# KiCad board ClockIOT.kicad_pcb (continued)
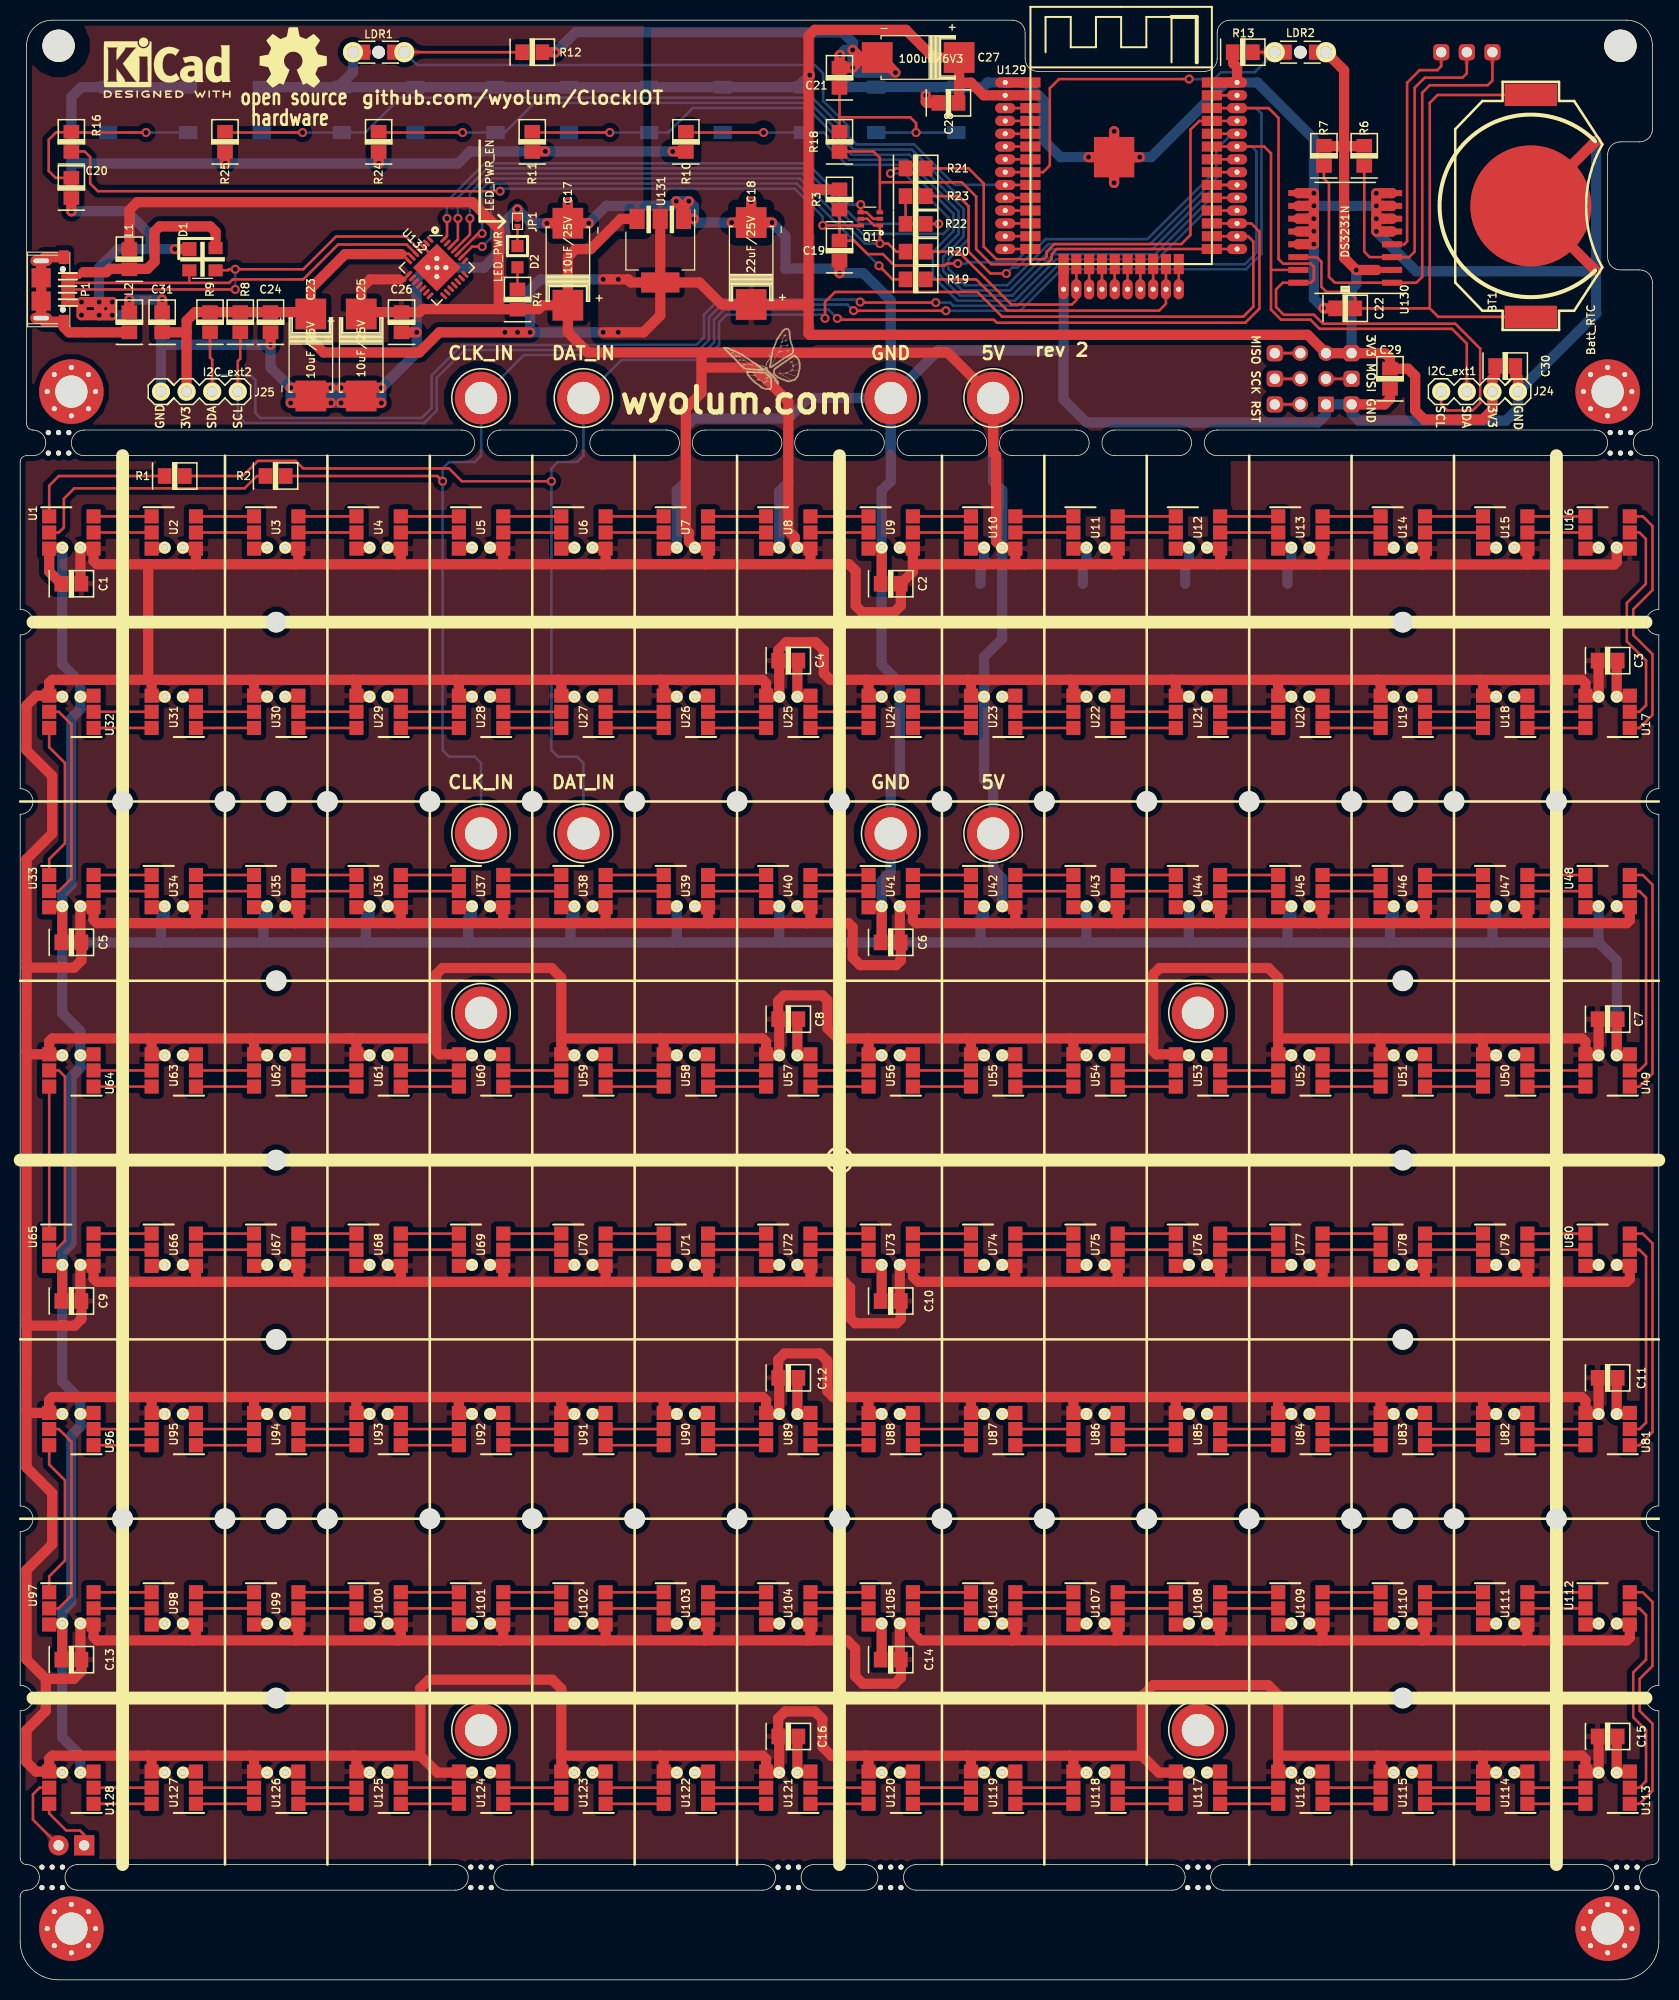
[diagram p0: board, top side]
## Routing (per net, layer and track width the routed paths; a pad name or vN(x,y) marks a point on that pad's centre or on a via; arc(x,y) is an arc through that point) (continued)
/CI_A: length 25.5
  Top w0.254: 24.38,149.11 23.48,149.11 22.26,147.89 5.37,147.89 4.34,146.86 4.34,144.01 3.83,143.51 U1.2
/CI_B: length 21.8
  Top w0.254: U16.5 160.63,143.51 161.27,142.88 161.27,138.41 159.39,136.53 159.39,132.72 161.29,130.81 161.29,126.39 160.63,125.73 U17.2
/CI_C: length 20.7
  Top w0.254: U32.5 3.83,125.73 5.08,124.48 5.08,109.2 3.83,107.95 U33.2
/CI_D: length 20.2
  Top w0.254: U48.5 160.63,107.95 161.29,107.29 161.29,90.83 160.63,90.17 U49.2
/CI_E: length 20
  Top w0.254: U64.5 3.83,90.17 4.45,89.56 4.45,73.29 3.55,72.39 U65.2
/CI_F: length 20.2
  Top w0.254: U81.2 160.66,54.61 161.29,55.25 161.29,71.73 160.63,72.39 U80.5
/CI_G: length 20.7
  Top w0.254: U96.5 3.83,54.61 5.08,53.36 5.08,38.1 3.81,36.83 U97.2
/CI_H: length 21.3
  Top w0.254: U113.2 160.63,19.05 161.29,19.71 161.29,24.77 160.02,26.04 160.02,30.48 161.29,31.75 161.29,36.17 160.63,36.83 U112.5
/CLK: length 2.5
  Top w0.254: U129.20 U129.20
/CLK_IN: length 161.1
  Top w0.254: U129.27 U129.27 122.13,174.16 122.94,173.36 122.94,165.71 121.53,164.31 96.89,164.31 96.59,164.61 81.2,164.61 v1(81.06,164.74) ; v1(41.91,148.59) 41.39,149.11 26.29,149.11
  Bottom w0.254: J9.1 45.72,120.65 45.09,121.29 42.54,121.29 41.91,121.92 v1(41.91,148.59) 41.91,149.86 42.54,150.5 45.09,150.5 45.72,151.13 J1.1 49.99,161.11 67.59,161.11 68.84,162.36 68.84,164.61 69.83,165.6 80.2,165.6 v1(81.06,164.74)
/CLK_OUT: length 8
  Top w0.254: 3.81,13.34 1.27,15.88 1.27,18.39 1.93,19.05 U128.5
/CMD: length 2.5
  Top w0.254: U129.19 U129.19
/DAT_IN: length 171.5
  Top w0.254: 16.29,149.11 22.09,149.11 23.59,150.61 27.34,150.61 28.09,149.86 42.54,149.86 43.82,148.59 v1(52.71,148.59) ; v1(79.84,164.74) 79.84,166.37 80.84,167.36 94.97,167.36 97.42,164.91 121.34,164.91 122.34,165.91 122.34,172.36 121.81,172.89 U129.26 U129.26
  Bottom w0.254: J10.1 55.88,120.65 55.24,121.29 53.34,121.29 52.71,121.92 v1(52.71,148.59) 52.71,149.86 53.34,150.5 55.24,150.5 55.88,151.13 J2.1 59.65,160.61 67.84,160.61 69.34,162.11 69.34,164.36 70.09,165.11 79.47,165.11 v1(79.84,164.74)
/DAT_OUT: length 6.3
  Top w0.254: P2.1 6.35,14.39 5.93,14.81 4.57,14.81 2.88,16.5 U128.6
/DI_A: length 14.9
  Top w0.254: U1.1 2.88,148.16 3.84,149.11 14.38,149.11
/DI_B: length 25.7
  Top w0.254: U16.6 160.96,145.11 161.93,144.15 161.93,137.8 160.02,135.89 160.02,133.35 161.93,131.44 161.93,125.42 160.63,124.13 U17.1
/DI_C: length 15.9
  Top w0.254: U33.1 2.88,111.12 4.45,112.69 4.45,120.65 2.88,122.22 U32.6
/DI_D: length 24.1
  Top w0.254: U49.1 160.63,88.57 161.93,89.86 161.93,108.59 160.96,109.55 U48.6
/DI_E: length 14.6
  Top w0.254: U64.6 U65.1
/DI_F: length 24.1
  Top w0.254: U80.6 160.96,73.99 161.93,73.03 161.93,54.3 160.63,53.01 U81.1
/DI_G: length 15.9
  Top w0.254: U97.1 2.88,40.01 4.45,41.57 4.45,49.53 2.88,51.1 U96.6
/DI_H: length 25.2
  Top w0.254: U112.6 160.96,38.43 161.93,37.47 161.93,31.12 160.66,29.85 160.66,26.67 161.93,25.4 161.93,18.74 160.63,17.45 U113.1
/DTR: length 51.2
  Top w0.254: Q1.2 84.61,174.61 83.96,175.26 Q1.4 v1(83.39,176.03) ; U132.28 42.35,172.9 v1(42.35,174.65)
  Bottom w0.254: v1(83.39,176.03) 82.17,176.03 78.09,180.11 46.09,180.11 42.34,176.36 42.34,174.66 v1(42.35,174.65)
/EN: length 126
  Top w0.254: v1(93.02,170.18) 91.93,170.18 91.74,169.99 86.71,169.99 85.59,171.11 84.09,171.11 82.75,172.45 C19.1 81.28,173.99 ; 81.28,173.99 81.31,173.96 ; 81.28,173.99 81.28,175.58 ; 5.08,181.29 6.39,181.29 6.95,180.74 6.95,178.12 7.72,177.35 v1(47.6,177.35) ; Q1.6 81.31,173.96 ; 81.31,173.96 v1(79.62,173.96) ; U129.3 U129.3
  Bottom w0.254: U129.3 99.61,185.59 100.34,184.86 100.34,171.96 98.68,170.31 93.98,170.31 93.85,170.18 v1(93.02,170.18) ; v1(79.62,173.96) 79.62,174.83 76.84,177.61 47.87,177.61 v1(47.6,177.35)
/esp_pwr_uart/CTS: length 54
  Top w0.254: U132.23 44.84,171.86 v1(45.84,171.86) ; v1(85.2,169.96) 86.55,168.61 R19.2
  Bottom w0.254: v1(85.2,169.96) 77.04,178.11 47.09,178.11 46.71,177.74 46.71,172.74 v1(45.84,171.86)
/esp_pwr_uart/RTS: length 57.1
  Top w0.254: Q1.5 84.06,174.61 84.71,173.96 Q1.1 v1(85.28,172.16) 86.11,172.16 86.91,171.36 R20.2 ; v1(45.82,173.16) 45.43,173.16 U132.24
  Bottom w0.254: v1(45.82,173.16) 45.82,177.6 46.84,178.61 77.34,178.61 83.78,172.16 v1(85.28,172.16)
/esp_pwr_uart/RXD: length 67.7
  Top w0.254: v1(44.62,174.65) 44.62,173.05 U132.25 ; v1(86.34,179.11) 86.84,179.61 R21.2
  Bottom w0.254: v1(44.62,174.65) 44.62,177.14 46.59,179.11 77.59,179.11 83.59,173.11 91.59,173.11 92.09,173.61 92.09,174.74 87.72,179.11 v1(86.34,179.11)
/esp_pwr_uart/TXD: length 2.8
  Top w0.254: R23.2 R22.2
/esp_pwr_uart/USB_D+: length 40.7
  Top w0.254: P1.3 v1(21.33,167.61) ; D1.3 20.6,169.51 20.7,169.61 v1(21.34,169.61) 28.09,169.61 31.34,172.86 38.25,172.86 U132.4
  Bottom w0.254: v1(21.34,169.61) v1(21.34,167.61)
/esp_pwr_uart/USB_D-: length 37.7
  Top w0.254: 16.79,168.26 20.74,168.26 21.09,168.61 28.09,168.61 31.54,172.07 38.34,172.07 U132.5 ; 16.79,168.26 D1.2 ; 16.79,168.26 P1.2
/IO0: length 52.4
  Top w0.254: U129.25 U129.25 102.84,171.62 102.34,171.11 102.34,170.61 101.84,170.11 96.34,170.11 94.84,171.61 94.84,176.82 93.42,178.24 85.28,178.24 ; 81.28,181.29 84.65,181.29 85.28,180.66 85.28,178.24 ; Q1.3 85.28,178.24
/IO2: length 2.5
  Top w0.254: U129.24 U129.24
/IO12: length 2.5
  Top w0.254: U129.14 U129.14
/IO13: length 20.9
  Top w0.254: R20.1 93.09,171.36 98.34,166.11 104.34,166.11 104.78,166.55 U129.16 U129.16
/IO14: length 2.5
  Top w0.254: U129.13 U129.13
/IO15: length 29.3
  Top w0.254: U129.23 U129.23 113.67,166.19 112.99,165.51 97.94,165.51 94.84,168.61 R19.1
/IO23: length 2.5
  Top w0.254: U129.37 U129.37
/IO25: length 2.5
  Top w0.254: U129.10 U129.10
/IO26: length 2.5
  Top w0.254: U129.11 U129.11
/IO27: length 2.5
  Top w0.254: U129.12 U129.12
/IO34: length 2.5
  Top w0.254: U129.6 U129.6
/IO35: length 2.5
  Top w0.254: U129.7 U129.7
/LDR1: length 83.1
  Top w0.254: 49.85,191.14 LDR1.2 36.51,191.14 ; U129.9 U129.9
  Bottom w0.254: LDR1.2 39.38,189.86 78.84,189.86 79.66,189.04 79.66,186.29 82.17,183.78 82.17,182.78 82.95,181.99 88.7,181.99 92.72,177.97 U129.9
/LDR2: length 40
  Top w0.254: U129.8 U129.8 101.47,179.24 102.14,179.91 102.14,187.56 103.06,188.47 v1(115.97,188.47) ; 122.24,191.14 LDR2.2 126.05,191.14
  Bottom w0.254: LDR2.2 122.47,189.15 119.12,189.15 118.45,188.47 v1(115.97,188.47)
/MISO: length 2.5
  Top w0.254: J17.1 J20.1
/MOSI: length 2.5
  Top w0.254: J21.1 J20.4
/NC: length 2.5
  Top w0.254: U129.32 U129.32
/RST: length 2.5
  Top w0.254: J22.1 J20.5
/rtc_ds3231/32kHz: length 49.5
  Top w0.254: TP3.1 146.05,188.33 145.59,187.86 139.84,187.86 139.09,187.11 139.09,168.86 138.5,168.28 U130.1 130.42,168.28 129.84,168.86 129.84,178.11 129.34,178.61 129.34,179.91
/rtc_ds3231/BAT: length 58.3
  Top w0.254: BT1.1 140.62,186.9 139.84,186.11 139.84,165.74 ; BT1.1 140.68,164.9 139.84,165.74 ; 139.84,165.74 C22.1 132.45,166.76 131.85,167.36 129.59,167.36 129.09,167.86 129.09,170.36 128.63,170.81 U130.14
/rtc_ds3231/RESET: length 22.8
  Top w0.254: U130.4 137.31,172.09 137.59,172.36 137.59,188.11 138.84,189.36 140.59,189.36 140.97,189.75 TP1.1
/rtc_ds3231/SQR: length 38.1
  Top w0.254: TP2.1 143.51,189.04 143.09,188.61 139.34,188.61 138.34,187.61 138.34,171.36 137.79,170.81 U130.3 133.88,170.81 133.34,171.36 133.34,179.91
/RXD0: length 46.1
  Top w0.254: R23.1 93.09,176.86 94.09,175.86 94.09,171.36 96.25,169.19 v1(97.84,169.19) ; U129.34 U129.34
  Bottom w0.254: v1(97.84,169.19) 98.43,169.78 98.91,169.78 101.74,172.61 111.84,172.61 118.66,179.43 118.66,181.49 120.22,183.05 U129.34
/SCK: length 2.5
  Top w0.254: J19.1 J20.3
/SCL: length 202.5
  Top w0.254: U129.36 U129.36 123.86,185.59 124.84,184.61 124.84,170.61 125.28,170.17 128.03,170.17 128.34,169.86 128.34,168.56 128.05,168.28 U130.16 125.25,168.28 124.59,167.61 124.59,165.86 125.35,165.1 128.34,165.1 129.23,164.21 142.37,164.21 144.84,161.74 144.84,156.36 144.09,155.61 141.59,155.61 140.97,156.23 J24.1 ; v1(91.84,165.5) 82.69,165.5 v1(82.68,165.51) ; 21.84,163.41 21.84,160.75 21.59,160.5 J25.1
  Bottom w0.254: v1(91.84,165.5) 99.21,165.5 103.32,169.61 121.61,169.61 123.14,171.14 123.14,185.06 122.61,185.59 U129.36 ; v1(82.68,165.51) 82.08,166.11 69.59,166.11 68.34,164.86 68.34,162.61 67.34,161.61 44.09,161.61 41.34,158.86 41.34,155.61 40.09,154.36 22.34,154.36 21.59,155.11 J25.1
/SD2: length 2.5
  Top w0.254: U129.17 U129.17
/SD3: length 2.5
  Top w0.254: U129.18 U129.18
/SDA: length 187.2
  Top w0.254: v1(90.84,166.31) 83.39,166.31 v1(83.34,166.36) ; R9.2 18.84,160.86 19.05,160.65 19.05,157.48 ; U129.33 U129.33 123.42,181.78 124.09,181.11 124.09,169.61 ; 143.51,157.48 143.51,162.24 142.04,163.7 128.91,163.7 128,164.61 125.09,164.61 124.09,165.61 124.09,169.61 ; 124.09,169.61 124.15,169.55 U130.15
  Bottom w0.254: v1(83.34,166.36) 83.09,166.61 69.34,166.61 67.84,165.11 67.84,162.86 67.09,162.11 43.84,162.11 40.84,159.11 40.84,155.86 39.83,154.86 23.84,154.86 23.34,155.36 23.34,158.61 22.84,159.11 19.59,159.11 19.05,158.58 19.05,157.48 ; U129.33 122.17,181.78 122.65,181.3 122.65,171.26 121.5,170.11 103.05,170.11 98.93,165.99 92.58,165.99 92.26,166.31 v1(90.84,166.31)
/SDI: length 2.5
  Top w0.254: U129.22 U129.22
/SDO: length 2.5
  Top w0.254: U129.21 U129.21
/SENSOR_VN: length 2.5
  Top w0.254: U129.5 U129.5
/SENSOR_VP: length 2.5
  Top w0.254: U129.4 U129.4
/SW_D: length 112.7
  Top w0.254: U129.30 U129.30 ; R24.1 35.63,183.17 v1(43.9,183.17) 43.87,183.2
  Bottom w0.254: U129.30 118.7,177.97 112.34,171.61 102.27,171.61 98.17,167.51 93.47,167.51 91.57,169.42 91.57,170.84 93.59,172.86 93.59,175.61 88.22,180.98 82.47,180.98 81.15,182.29 81.15,183.29 78.34,186.11 51.02,186.11 48.08,183.17 S5.4 v1(43.9,183.17) S5.2
/SW_E: length 79
  Top w0.254: 73.72,183.2 v1(73.75,183.17) 66.12,183.17 R10.1 ; U129.28 U129.28
  Bottom w0.254: S1.2 v1(73.75,183.17) S1.4 79.72,183.17 80.14,182.75 80.14,181.81 81.99,179.96 87.74,179.96 92.59,175.11 92.59,173.36 90.55,171.33 90.55,168.91 92.96,166.5 98.68,166.5 102.79,170.61 112.84,170.61 117.66,175.43 U129.28
/SW_I: length 96.4
  Top w0.254: R11.1 50.88,183.17 v1(58.49,183.17) 58.47,183.2 ; U129.29 U129.29
  Bottom w0.254: S2.2 v1(58.49,183.17) S2.4 64.29,183.17 66.73,185.61 78.09,185.61 80.65,183.05 80.65,182.05 82.23,180.47 87.98,180.47 93.09,175.36 93.09,173.11 91.06,171.08 91.06,169.16 93.22,167 98.43,167 102.53,171.11 112.59,171.11 118.18,176.7 U129.29
/SW_M: length 127.8
  Top w0.254: 27.99,183.2 v1(28.02,183.17) 20.4,183.17 R25.1 ; U129.31 U129.31
  Bottom w0.254: U129.31 119.22,179.24 112.09,172.11 102.01,172.11 97.92,168.02 93.73,168.02 92.08,169.67 92.08,170.6 94.09,172.61 94.09,175.86 88.46,181.48 82.71,181.48 81.66,182.53 81.66,183.53 78.59,186.61 37.68,186.61 34.24,183.17 S6.4 v1(28.02,183.17) S6.2
/TXD0: length 50.4
  Top w0.254: R21.1 94.09,179.61 95.59,178.11 95.59,171.86 96.84,170.61 101.59,170.61 101.84,170.86 101.84,171.36 102.59,172.11 115.19,172.11 116.09,173.02 116.09,183.45 116.97,184.32 U129.35 U129.35
Net-(C20-Pad1): length 23.6
  Top w0.254: C20.1 3.52,178.67 2.84,179.36 2.84,182.46 3.57,183.2 5.08,183.2 ; R16.1 5.16,183.17 v1(12.48,183.17) 12.46,183.2
  Bottom w0.254: S3.2 v1(12.48,183.17) S3.4
Net-(C21-Pad2): length 21.1
  Top w0.254: 81.28,184.68 88.3,184.68 88.88,184.1 v1(88.88,183.17) ; 81.28,184.68 81.28,183.2 ; 81.28,184.68 C21.2
  Bottom w0.254: S4.2 v1(88.88,183.17) S4.4
Net-(D1-Pad4): length 20.3
  Top w0.508: P1.1 5.84,168.91 6.26,169.32
  Top w1.016: 6.26,169.32 8.55,169.32 8.88,169.66 12.63,169.66 13.34,170.36 13.34,173.36 13.84,173.86 18.85,173.86 19.38,173.33 D1.4
Net-(D2-Pad1): length 2.2
  Top w0.254: D2.1 49.34,167.56
Net-(D2-Pad2): length 2
  Top w0.254: JP1.2 D2.2
Net-(L2-Pad2): length 17.7
  Top w1.016: P1.6 2.45,170.81 P1.6 P1.6 P1.6 P1.6 2.45,164.41 P1.6 4.34,163.86 4.84,163.36 L2.2
Net-(R22-Pad1): length 57.7
  Top w0.254: v1(91.14,174.11) 89.79,174.11 ; v1(43.43,174.66) 43.43,172.57 U132.26
  Bottom w0.254: v1(43.43,174.66) 43.43,176.7 46.34,179.61 77.84,179.61 83.34,174.11 v1(91.14,174.11)
Net-(U1-Pad5): length 5.8
  Top w0.254: U1.5 U2.2
Net-(U1-Pad6): length 5.8
  Top w0.254: U1.6 U2.1
Net-(U2-Pad5): length 5.8
  Top w0.254: U2.5 U3.2
Net-(U2-Pad6): length 5.8
  Top w0.254: U2.6 U3.1
Net-(U3-Pad5): length 5.8
  Top w0.254: U3.5 U4.2
Net-(U3-Pad6): length 5.8
  Top w0.254: U3.6 U4.1
Net-(U4-Pad5): length 5.8
  Top w0.254: U4.5 U5.2
Net-(U4-Pad6): length 5.8
  Top w0.254: U4.6 U5.1
Net-(U5-Pad5): length 5.8
  Top w0.254: 47.92,143.51 U6.2
Net-(U5-Pad6): length 5.8
  Top w0.254: 47.92,145.11 U6.1
Net-(U6-Pad5): length 5.8
  Top w0.254: U6.5 U7.2
Net-(U6-Pad6): length 5.8
  Top w0.254: U6.6 U7.1
Net-(U7-Pad5): length 5.8
  Top w0.254: U7.5 U8.2
Net-(U7-Pad6): length 5.8
  Top w0.254: U7.6 U8.1
Net-(U8-Pad5): length 5.8
  Top w0.254: U8.5 84.16,143.51
Net-(U8-Pad6): length 5.8
  Top w0.254: U8.6 84.16,145.11
Net-(U10-Pad1): length 5.8
  Top w0.254: U9.6 U10.1
Net-(U10-Pad2): length 5.8
  Top w0.254: U9.5 U10.2
Net-(U10-Pad5): length 5.8
  Top w0.254: U10.5 U11.2
Net-(U10-Pad6): length 5.8
  Top w0.254: U10.6 U11.1
Net-(U11-Pad5): length 5.8
  Top w0.254: U11.5 U12.2
Net-(U11-Pad6): length 5.8
  Top w0.254: U11.6 U12.1
Net-(U12-Pad5): length 5.8
  Top w0.254: U12.5 U13.2
Net-(U12-Pad6): length 5.8
  Top w0.254: U12.6 U13.1
Net-(U13-Pad5): length 5.8
  Top w0.254: U13.5 U14.2
Net-(U13-Pad6): length 5.8
  Top w0.254: U13.6 U14.1
Net-(U14-Pad5): length 5.8
  Top w0.254: U14.5 145.12,143.51
Net-(U14-Pad6): length 5.8
  Top w0.254: U14.6 145.12,145.11
Net-(U15-Pad5): length 5.8
  Top w0.254: U15.5 155.28,143.51
Net-(U15-Pad6): length 5.8
  Top w0.254: U15.6 155.28,145.11
Net-(U17-Pad5): length 5.8
  Top w0.254: U18.2 155.28,125.73
Net-(U17-Pad6): length 5.8
  Top w0.254: 155.28,124.13 U18.1
Net-(U18-Pad5): length 5.8
  Top w0.254: U19.2 145.12,125.73
Net-(U18-Pad6): length 5.8
  Top w0.254: 145.12,124.13 U19.1
Net-(U19-Pad5): length 5.8
  Top w0.254: U20.2 U19.5
Net-(U19-Pad6): length 5.8
  Top w0.254: U19.6 U20.1
Net-(U20-Pad5): length 5.8
  Top w0.254: U21.2 U20.5
Net-(U20-Pad6): length 5.8
  Top w0.254: U20.6 U21.1
Net-(U21-Pad5): length 5.8
  Top w0.254: U22.2 U21.5
Net-(U21-Pad6): length 5.8
  Top w0.254: U21.6 U22.1
Net-(U22-Pad5): length 5.8
  Top w0.254: U23.2 U22.5
Net-(U22-Pad6): length 5.8
  Top w0.254: U22.6 U23.1
Net-(U23-Pad5): length 5.8
  Top w0.254: U24.2 U23.5
Net-(U23-Pad6): length 5.8
  Top w0.254: U23.6 U24.1
Net-(U24-Pad5): length 5.8
  Top w0.254: U25.2 84.16,125.73
Net-(U24-Pad6): length 5.8
  Top w0.254: 84.16,124.13 U25.1
Net-(U25-Pad5): length 5.8
  Top w0.254: U26.2 U25.5
Net-(U25-Pad6): length 5.8
  Top w0.254: U25.6 U26.1
Net-(U26-Pad5): length 5.8
  Top w0.254: U27.2 U26.5
Net-(U26-Pad6): length 5.8
  Top w0.254: U26.6 U27.1
Net-(U27-Pad5): length 5.8
  Top w0.254: 47.92,125.73 U27.5
Net-(U27-Pad6): length 5.8
  Top w0.254: U27.6 47.92,124.13
Net-(U28-Pad5): length 5.8
  Top w0.254: U29.2 U28.5
Net-(U28-Pad6): length 5.8
  Top w0.254: U28.6 U29.1
Net-(U29-Pad5): length 5.8
  Top w0.254: U30.2 U29.5
Net-(U29-Pad6): length 5.8
  Top w0.254: U29.6 U30.1
Net-(U30-Pad5): length 5.8
  Top w0.254: U31.2 U30.5
Net-(U30-Pad6): length 5.8
  Top w0.254: U30.6 U31.1
Net-(U31-Pad5): length 5.8
  Top w0.254: U32.2 U31.5
Net-(U31-Pad6): length 5.8
  Top w0.254: U31.6 U32.1
Net-(U33-Pad5): length 5.8
  Top w0.254: U33.5 U34.2
Net-(U33-Pad6): length 5.8
  Top w0.254: U33.6 U34.1
Net-(U34-Pad5): length 5.8
  Top w0.254: U35.2 U34.5
Net-(U34-Pad6): length 5.8
  Top w0.254: U34.6 U35.1
Net-(U35-Pad5): length 5.8
  Top w0.254: U36.2 U35.5
Net-(U35-Pad6): length 5.8
  Top w0.254: U35.6 U36.1
Net-(U36-Pad5): length 5.8
  Top w0.254: U36.5 U37.2
Net-(U36-Pad6): length 5.8
  Top w0.254: U36.6 U37.1
Net-(U37-Pad5): length 5.8
  Top w0.254: U38.2 47.92,107.95
Net-(U37-Pad6): length 5.8
  Top w0.254: 47.92,109.55 U38.1
Net-(U38-Pad5): length 5.8
  Top w0.254: U39.2 U38.5
Net-(U38-Pad6): length 5.8
  Top w0.254: U38.6 U39.1
Net-(U39-Pad5): length 5.8
  Top w0.254: U40.2 U39.5
Net-(U39-Pad6): length 5.8
  Top w0.254: U39.6 U40.1
Net-(U40-Pad5): length 5.8
  Top w0.254: 84.16,107.95 U40.5
Net-(U40-Pad6): length 5.8
  Top w0.254: U40.6 84.16,109.55
Net-(U41-Pad5): length 5.8
  Top w0.254: U42.2 U41.5
Net-(U41-Pad6): length 5.8
  Top w0.254: U41.6 U42.1
Net-(U42-Pad5): length 5.8
  Top w0.254: U43.2 U42.5
Net-(U42-Pad6): length 5.8
  Top w0.254: U42.6 U43.1
Net-(U43-Pad5): length 5.8
  Top w0.254: U44.2 U43.5
Net-(U43-Pad6): length 5.8
  Top w0.254: U43.6 U44.1
Net-(U44-Pad5): length 5.8
  Top w0.254: U44.5 U45.2
Net-(U44-Pad6): length 5.8
  Top w0.254: U44.6 U45.1
Net-(U45-Pad5): length 5.8
  Top w0.254: U46.2 U45.5
Net-(U45-Pad6): length 5.8
  Top w0.254: U45.6 U46.1
Net-(U46-Pad5): length 5.8
  Top w0.254: 145.12,107.95 U46.5
Net-(U46-Pad6): length 5.8
  Top w0.254: U46.6 145.12,109.55
Net-(U47-Pad5): length 5.8
  Top w0.254: 155.28,107.95 U47.5
Net-(U47-Pad6): length 5.8
  Top w0.254: U47.6 155.28,109.55
Net-(U49-Pad5): length 5.8
  Top w0.254: U50.2 155.28,90.17
Net-(U49-Pad6): length 5.8
  Top w0.254: 155.28,88.57 U50.1
Net-(U50-Pad5): length 5.8
  Top w0.254: U51.2 145.12,90.17
Net-(U50-Pad6): length 5.8
  Top w0.254: 145.12,88.57 U51.1
Net-(U51-Pad5): length 5.8
  Top w0.254: U52.2 U51.5
Net-(U51-Pad6): length 5.8
  Top w0.254: U51.6 U52.1
Net-(U52-Pad5): length 5.8
  Top w0.254: U53.2 U52.5
Net-(U52-Pad6): length 5.8
  Top w0.254: U52.6 U53.1
Net-(U53-Pad5): length 5.8
  Top w0.254: U54.2 U53.5
Net-(U53-Pad6): length 5.8
  Top w0.254: U53.6 U54.1
Net-(U54-Pad5): length 5.8
  Top w0.254: U55.2 U54.5
Net-(U54-Pad6): length 5.8
  Top w0.254: U54.6 U55.1
Net-(U55-Pad5): length 5.8
  Top w0.254: U56.2 U55.5
Net-(U55-Pad6): length 5.8
  Top w0.254: U55.6 U56.1
Net-(U56-Pad5): length 5.8
  Top w0.254: U57.2 84.16,90.17
Net-(U56-Pad6): length 5.8
  Top w0.254: 84.16,88.57 U57.1
Net-(U57-Pad5): length 5.8
  Top w0.254: U58.2 U57.5
Net-(U57-Pad6): length 5.8
  Top w0.254: U57.6 U58.1
Net-(U58-Pad5): length 5.8
  Top w0.254: U59.2 U58.5
Net-(U58-Pad6): length 5.8
  Top w0.254: U58.6 U59.1
Net-(U59-Pad5): length 5.8
  Top w0.254: 47.92,90.17 U59.5
Net-(U59-Pad6): length 5.8
  Top w0.254: U59.6 47.92,88.57
Net-(U60-Pad5): length 5.8
  Top w0.254: U61.2 U60.5
Net-(U60-Pad6): length 5.8
  Top w0.254: U60.6 U61.1
Net-(U61-Pad5): length 5.8
  Top w0.254: U62.2 U61.5
Net-(U61-Pad6): length 5.8
  Top w0.254: U61.6 U62.1
Net-(U62-Pad5): length 5.8
  Top w0.254: U63.2 U62.5
Net-(U62-Pad6): length 5.8
  Top w0.254: U62.6 U63.1
Net-(U63-Pad5): length 5.8
  Top w0.254: U64.2 U63.5
Net-(U63-Pad6): length 5.8
  Top w0.254: U63.6 U64.1
Net-(U65-Pad5): length 5.8
  Top w0.254: U66.2 U65.5
Net-(U65-Pad6): length 5.8
  Top w0.254: U65.6 U66.1
Net-(U66-Pad5): length 5.8
  Top w0.254: U67.2 U66.5
Net-(U66-Pad6): length 5.8
  Top w0.254: U66.6 U67.1
Net-(U67-Pad5): length 5.8
  Top w0.254: U68.2 U67.5
Net-(U67-Pad6): length 5.8
  Top w0.254: U67.6 U68.1
Net-(U68-Pad5): length 5.8
  Top w0.254: U69.2 U68.5
Net-(U68-Pad6): length 5.8
  Top w0.254: U68.6 U69.1
Net-(U69-Pad5): length 5.8
  Top w0.254: U70.2 47.92,72.39
Net-(U69-Pad6): length 5.8
  Top w0.254: 47.92,73.99 U70.1
Net-(U70-Pad5): length 5.8
  Top w0.254: U71.2 U70.5
Net-(U70-Pad6): length 5.8
  Top w0.254: U70.6 U71.1
Net-(U71-Pad5): length 5.8
  Top w0.254: U72.2 U71.5
Net-(U71-Pad6): length 5.8
  Top w0.254: U71.6 U72.1
Net-(U72-Pad5): length 5.8
  Top w0.254: 84.16,72.39 U72.5
Net-(U72-Pad6): length 5.8
  Top w0.254: U72.6 84.16,73.99
Net-(U73-Pad5): length 5.8
  Top w0.254: U74.2 U73.5
Net-(U73-Pad6): length 5.8
  Top w0.254: U73.6 U74.1
Net-(U74-Pad5): length 5.8
  Top w0.254: U75.2 U74.5
Net-(U74-Pad6): length 5.8
  Top w0.254: U74.6 U75.1
Net-(U75-Pad5): length 5.8
  Top w0.254: U76.2 U75.5
Net-(U75-Pad6): length 5.8
  Top w0.254: U75.6 U76.1
Net-(U76-Pad5): length 5.8
  Top w0.254: U77.2 U76.5
Net-(U76-Pad6): length 5.8
  Top w0.254: U76.6 U77.1
Net-(U77-Pad5): length 5.8
  Top w0.254: U78.2 U77.5
Net-(U77-Pad6): length 5.8
  Top w0.254: U77.6 U78.1
Net-(U78-Pad5): length 5.8
  Top w0.254: 145.12,72.39 U78.5
Net-(U78-Pad6): length 5.8
  Top w0.254: U78.6 145.12,73.99
Net-(U79-Pad5): length 5.8
  Top w0.254: 155.28,72.39 U79.5
Net-(U79-Pad6): length 5.8
  Top w0.254: U79.6 155.28,73.99
Net-(U81-Pad5): length 5.8
  Top w0.254: U82.2 155.28,54.61
Net-(U81-Pad6): length 5.8
  Top w0.254: 155.28,53.01 U82.1
Net-(U82-Pad5): length 5.8
  Top w0.254: U83.2 145.12,54.61
Net-(U82-Pad6): length 5.8
  Top w0.254: 145.12,53.01 U83.1
Net-(U83-Pad5): length 5.8
  Top w0.254: U84.2 U83.5
Net-(U83-Pad6): length 5.8
  Top w0.254: U83.6 U84.1
Net-(U84-Pad5): length 5.8
  Top w0.254: U85.2 U84.5
Net-(U84-Pad6): length 5.8
  Top w0.254: U84.6 U85.1
Net-(U85-Pad5): length 5.8
  Top w0.254: U86.2 U85.5
Net-(U85-Pad6): length 5.8
  Top w0.254: U85.6 U86.1
Net-(U86-Pad5): length 5.8
  Top w0.254: U87.2 U86.5
Net-(U86-Pad6): length 5.8
  Top w0.254: U86.6 U87.1
Net-(U87-Pad5): length 5.8
  Top w0.254: U88.2 U87.5
Net-(U87-Pad6): length 5.8
  Top w0.254: U87.6 U88.1
Net-(U88-Pad5): length 5.8
  Top w0.254: U89.2 84.16,54.61
Net-(U88-Pad6): length 5.8
  Top w0.254: 84.16,53.01 U89.1
Net-(U89-Pad5): length 5.8
  Top w0.254: U90.2 U89.5
Net-(U89-Pad6): length 5.8
  Top w0.254: U89.6 U90.1
Net-(U90-Pad5): length 5.8
  Top w0.254: U91.2 U90.5
Net-(U90-Pad6): length 5.8
  Top w0.254: U90.6 U91.1
Net-(U91-Pad5): length 5.8
  Top w0.254: 47.92,54.61 U91.5
Net-(U91-Pad6): length 5.8
  Top w0.254: U91.6 47.92,53.01
Net-(U92-Pad5): length 5.8
  Top w0.254: U93.2 U92.5
Net-(U92-Pad6): length 5.8
  Top w0.254: U92.6 U93.1
Net-(U93-Pad5): length 5.8
  Top w0.254: U94.2 U93.5
Net-(U93-Pad6): length 5.8
  Top w0.254: U93.6 U94.1
Net-(U94-Pad5): length 5.8
  Top w0.254: U95.2 U94.5
Net-(U94-Pad6): length 5.8
  Top w0.254: U94.6 U95.1
Net-(U95-Pad5): length 5.8
  Top w0.254: U96.2 U95.5
Net-(U95-Pad6): length 5.8
  Top w0.254: U95.6 U96.1
Net-(U97-Pad5): length 5.8
  Top w0.254: U98.2 U97.5
Net-(U97-Pad6): length 5.8
  Top w0.254: U97.6 U98.1
Net-(U98-Pad5): length 5.8
  Top w0.254: U99.2 U98.5
Net-(U98-Pad6): length 5.8
  Top w0.254: U98.6 U99.1
Net-(U100-Pad1): length 5.8
  Top w0.254: U99.6 U100.1
Net-(U100-Pad2): length 5.8
  Top w0.254: U100.2 U99.5
Net-(U100-Pad5): length 5.8
  Top w0.254: U101.2 U100.5
Net-(U100-Pad6): length 5.8
  Top w0.254: U100.6 U101.1
Net-(U101-Pad5): length 5.8
  Top w0.254: U102.2 47.92,36.83
Net-(U101-Pad6): length 5.8
  Top w0.254: 47.92,38.43 U102.1
Net-(U102-Pad5): length 5.8
  Top w0.254: U103.2 U102.5
Net-(U102-Pad6): length 5.8
  Top w0.254: U102.6 U103.1
Net-(U103-Pad5): length 5.8
  Top w0.254: U103.5 U104.2
Net-(U103-Pad6): length 5.8